# Altium PCB PCB_REV3.PcbDoc (part 1 of 2) (continued)
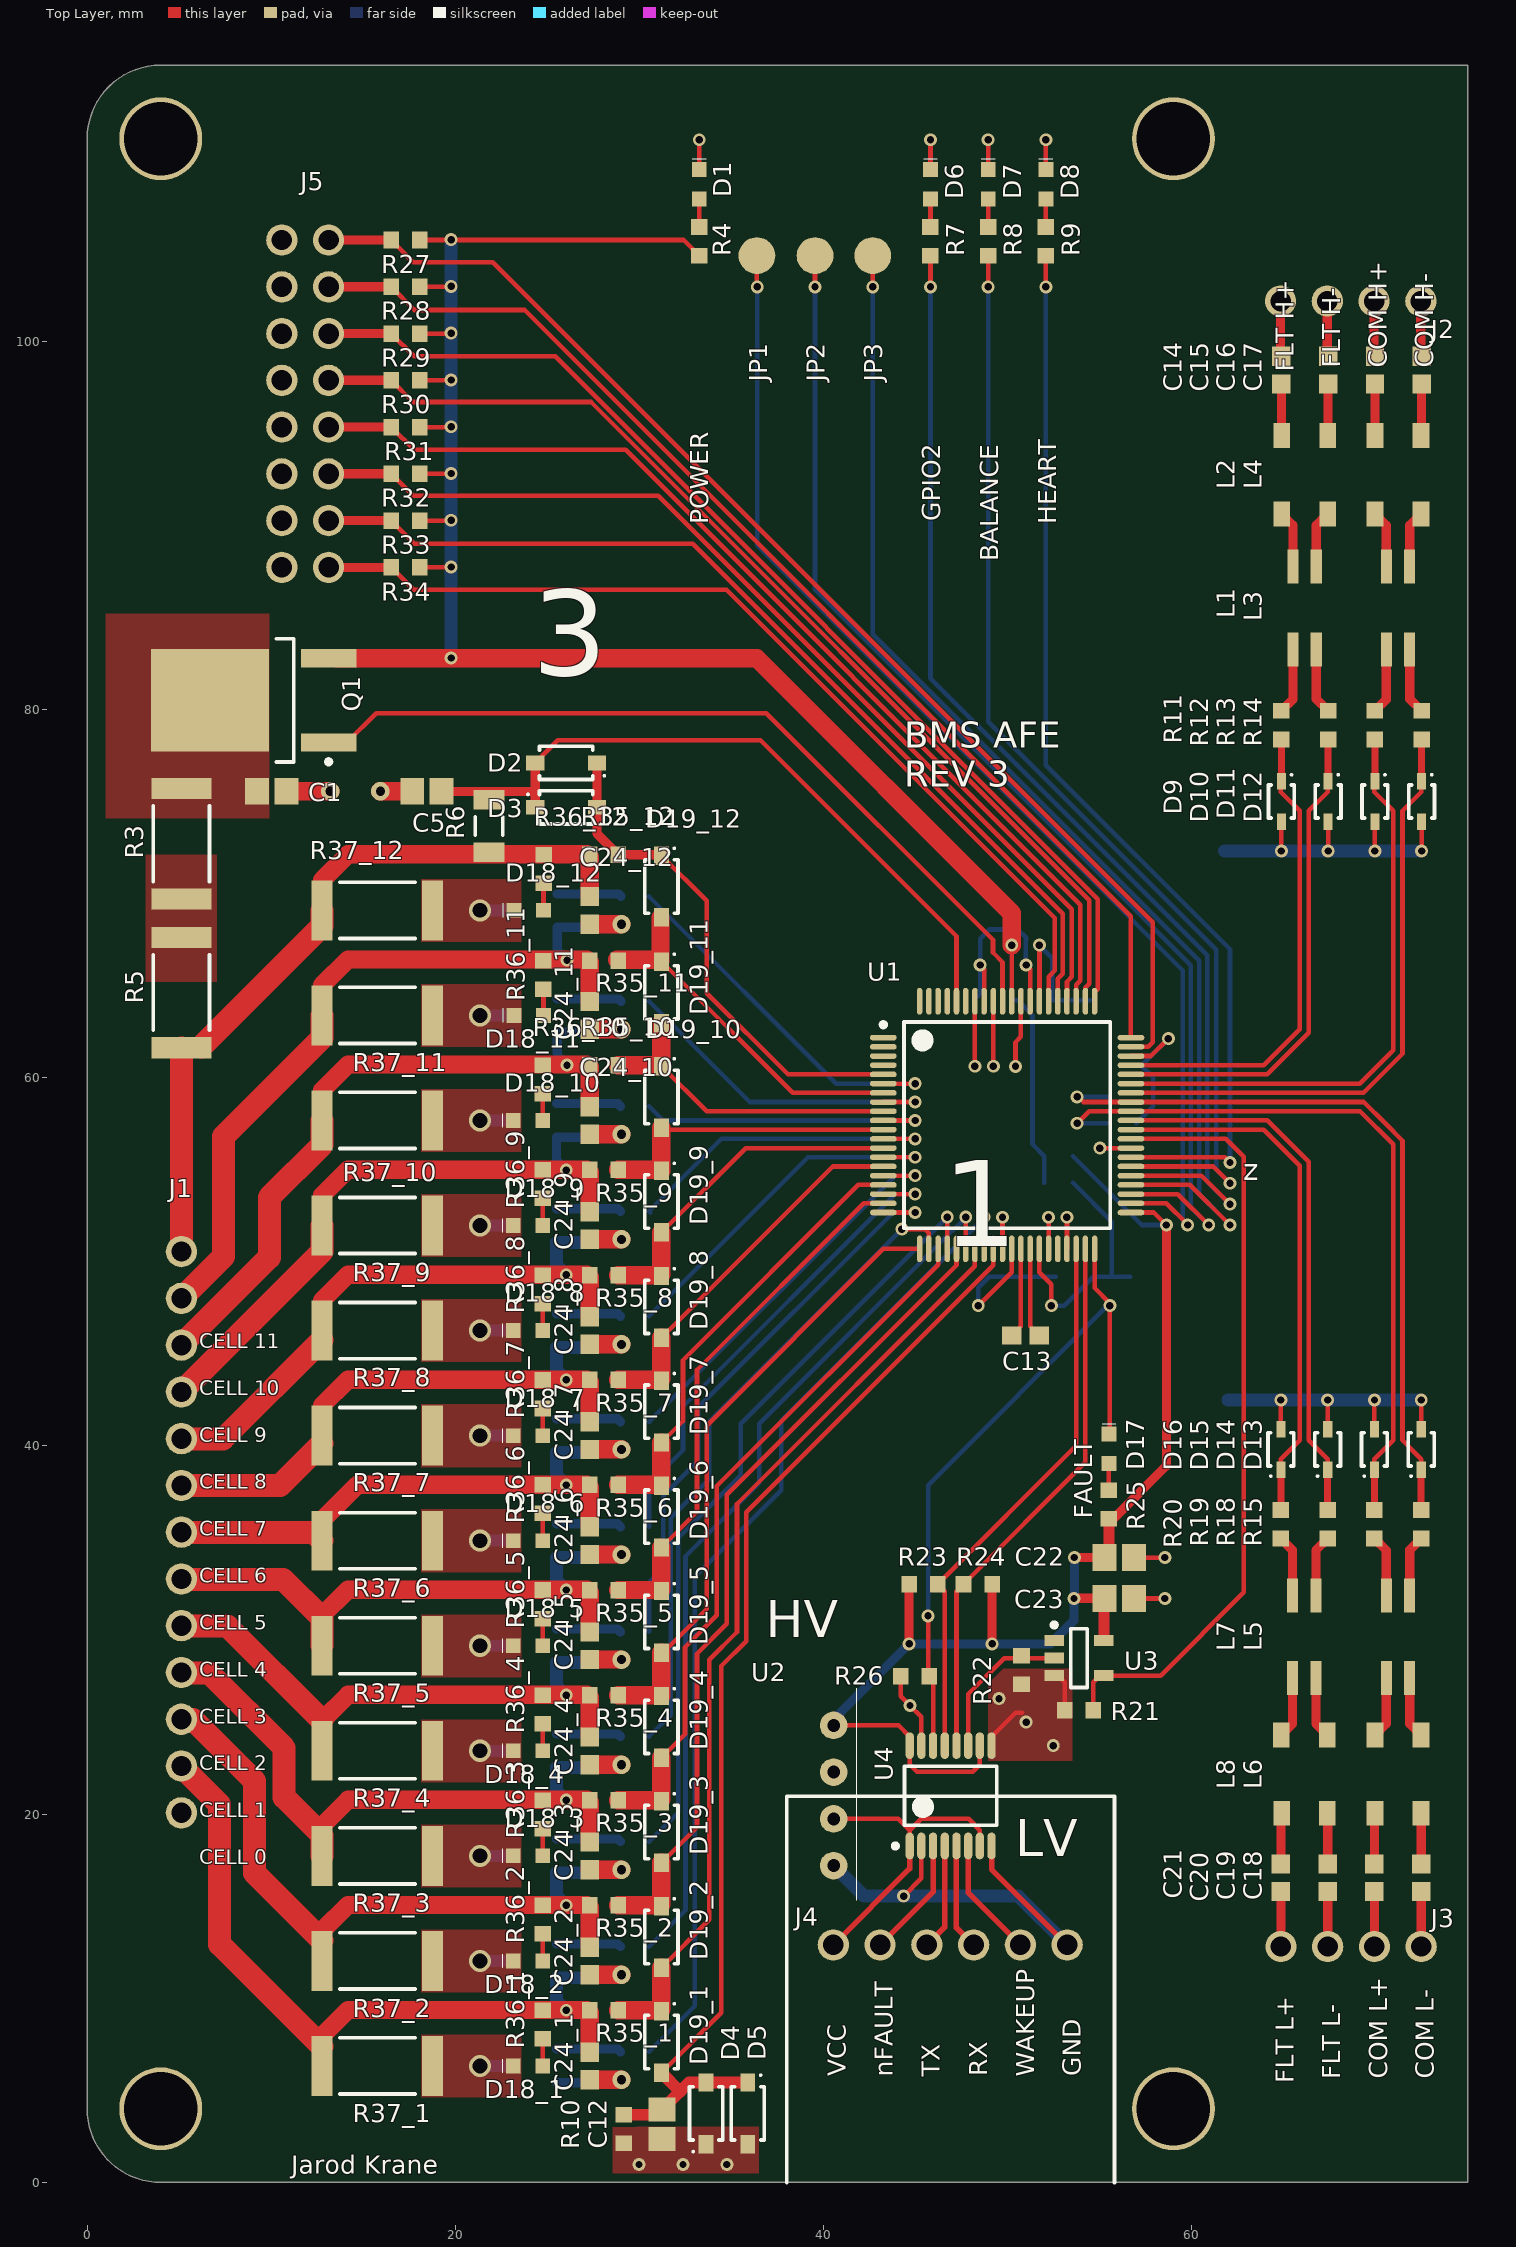
[diagram p0: Top Layer view]
## Components (designator, comment, footprint, x,y, rotation, side; value= is the part's Value field where it differs from the comment) (continued)
L1 "470uH" CMC470u 66.76,83.27 r90 top
L2 "100uH" CMC100U#1 67.375,90.624 r90 top
L3 "470uH" CMC470u 71.835,83.27 r90 top
L4 "100uH" CMC100U#1 72.45,90.624 r90 top
L5 "470uH" CMC470u 70.565,31.887 r270 top
L6 "100uH" CMC100U#1 69.95,24.3 r270 top
L7 "470uH" CMC470u 65.47,31.887 r270 top
L8 "100uH" CMC100U#2 64.855,24.3 r270 top
Q1 "ZXTN4004KTCDICT-ND" DPAK-TO252 9.02,80.5 r180 top
Q2_1 "DMN6140L-13DICT-ND" SOT-23-3 24.325,6.325 r180 bottom (schematic designator Q2)
Q2_2 "DMN6140L-13DICT-ND" SOT-23-3 24.325,12.031 r180 bottom (schematic designator Q2)
Q2_3 "DMN6140L-13DICT-ND" SOT-23-3 24.325,17.737 r180 bottom (schematic designator Q2)
Q2_4 "DMN6140L-13DICT-ND" SOT-23-3 24.325,23.444 r180 bottom (schematic designator Q2)
Q2_5 "DMN6140L-13DICT-ND" SOT-23-3 24.325,29.15 r180 bottom (schematic designator Q2)
Q2_6 "DMN6140L-13DICT-ND" SOT-23-3 24.325,34.856 r180 bottom (schematic designator Q2)
Q2_7 "DMN6140L-13DICT-ND" SOT-23-3 24.325,40.562 r180 bottom (schematic designator Q2)
Q2_8 "DMN6140L-13DICT-ND" SOT-23-3 24.325,46.268 r180 bottom (schematic designator Q2)
Q2_9 "DMN6140L-13DICT-ND" SOT-23-3 24.325,51.974 r180 bottom (schematic designator Q2)
Q2_10 "DMN6140L-13DICT-ND" SOT-23-3 24.325,57.68 r180 bottom (schematic designator Q2)
Q2_11 "DMN6140L-13DICT-ND" SOT-23-3 24.364,63.386 r180 bottom (schematic designator Q2)
Q2_12 "DMN6140L-13DICT-ND" SOT-23-3 24.364,69.092 r180 bottom (schematic designator Q2)
R1 "1R" RES-0603 52.77,55.745 r0 bottom
R2 "1R" RES-0603 52.77,54.288 r0 bottom
R3 "200R" RES-2512 5.12,72.705 r90 top
R4 "1K" RES-0603 33.25,105.429 r270 top
R5 "200R" RES-2512 5.12,64.624 r90 top
R6 "100R" RES-1206 21.829,73.681 r90 top
R7 "665R" RES-0603 45.805,105.429 r270 top
R8 "665R" RES-0603 48.94,105.429 r270 top
R9 "665R" RES-0603 52.075,105.429 r270 top
R10 "1K" RES-0603 29.145,2.9 r270 top
R11 "10R" RES-0603 64.866,79.15 r90 top
R12 "10R" RES-0603 67.404,79.15 r90 top
R13 "10R" RES-0603 69.943,79.15 r90 top
R14 "10R" RES-0603 72.481,79.15 r90 top
R15 "10R" RES-0603 72.46,35.749 r270 top
R16 "100K" RES-0603 56.212,58.962 r180 bottom
R17 "100K" RES-0603 56.212,57.53 r0 bottom
R18 "10R" RES-0603 69.92,35.749 r270 top
R19 "10R" RES-0603 67.38,35.749 r270 top
R20 "10R" RES-0603 64.84,35.749 r270 top
R21 "100K" RES-0603 53.875,25.65 r0 top
R22 "0R" RES-0603 50.75,27.83 r90 top
R23 "100K" RES-0603 45.42,32.5 r180 top
R24 "100K" RES-0603 48.378,32.5 r0 top
R25 "1K" RES-0603 55.5,36.82 r270 top
R26 "50K" RES-0603 44.97,27.5 r0 top
R27 "10K" RES-0603 17.295,105.5 r180 top
R28 "10K" RES-0603 17.295,102.96 r180 top
R29 "10K" RES-0603 17.295,100.42 r180 top
R30 "10K" RES-0603 17.295,97.88 r180 top
R31 "10K" RES-0603 17.295,95.34 r180 top
R32 "10K" RES-0603 17.295,92.8 r180 top
R33 "10K" RES-0603 17.295,90.26 r180 top
R34 "10K" RES-0603 17.295,87.72 r180 top
R35_1 "1K" RES-0603 28.07,9.35 r180 top (schematic designator R35)
R35_2 "1K" RES-0603 28.07,15.056 r180 top (schematic designator R35)
R35_3 "1K" RES-0603 28.07,20.762 r180 top (schematic designator R35)
R35_4 "1K" RES-0603 28.07,26.469 r180 top (schematic designator R35)
R35_5 "1K" RES-0603 28.07,32.175 r180 top (schematic designator R35)
R35_6 "1K" RES-0603 28.07,37.886 r180 top (schematic designator R35)
R35_7 "1K" RES-0603 28.07,43.587 r180 top (schematic designator R35)
R35_8 "1K" RES-0603 28.07,49.282 r180 top (schematic designator R35)
R35_9 "1K" RES-0603 28.07,54.998 r180 top (schematic designator R35)
R35_10 "1K" RES-0603 28.07,60.68 r180 top (schematic designator R35)
R35_11 "1K" RES-0603 28.07,66.361 r180 top (schematic designator R35)
R35_12 "1K" RES-0603 28.07,72.111 r180 top (schematic designator R35)
R36_1 "1K" RES-0603 24.745,8.575 r90 top (schematic designator R36)
R36_2 "1K" RES-0603 24.745,14.281 r90 top (schematic designator R36)
R36_3 "1K" RES-0603 24.745,19.987 r90 top (schematic designator R36)
R36_4 "1K" RES-0603 24.745,25.694 r90 top (schematic designator R36)
R36_5 "1K" RES-0603 24.745,31.4 r90 top (schematic designator R36)
R36_6 "1K" RES-0603 24.745,37.111 r90 top (schematic designator R36)
R36_7 "1K" RES-0603 24.745,42.812 r90 top (schematic designator R36)
R36_8 "1K" RES-0603 24.745,48.507 r90 top (schematic designator R36)
R36_9 "1K" RES-0603 24.745,54.223 r90 top (schematic designator R36)
R36_10 "1K" RES-0603 24.75,59.905 r90 top (schematic designator R36)
R36_11 "1K" RES-0603 24.779,65.586 r90 top (schematic designator R36)
R36_12 "1K" RES-0603 24.793,71.336 r90 top (schematic designator R36)
R37_1 "75R" RES-2512 15.764,6.325 r180 top (schematic designator R37)
R37_2 "75R" RES-2512 15.764,12.031 r180 top (schematic designator R37)
R37_3 "75R" RES-2512 15.764,17.737 r180 top (schematic designator R37)
R37_4 "75R" RES-2512 15.764,23.444 r180 top (schematic designator R37)
R37_5 "75R" RES-2512 15.764,29.15 r180 top (schematic designator R37)
R37_6 "75R" RES-2512 15.764,34.856 r180 top (schematic designator R37)
R37_7 "75R" RES-2512 15.764,40.562 r180 top (schematic designator R37)
R37_8 "75R" RES-2512 15.764,46.268 r180 top (schematic designator R37)
R37_9 "75R" RES-2512 15.764,51.974 r180 top (schematic designator R37)
R37_10 "75R" RES-2512 15.764,57.68 r180 top (schematic designator R37)
R37_11 "75R" RES-2512 15.764,63.386 r180 top (schematic designator R37)
R37_12 "75R" RES-2512 15.765,69.092 r180 top (schematic designator R37)
R38_1 "2K" RES-0603 29.743,7.1 r180 bottom (schematic designator R38)
R38_2 "2K" RES-0603 29.743,12.806 r180 bottom (schematic designator R38)
R38_3 "2K" RES-0603 29.743,18.512 r180 bottom (schematic designator R38)
R38_4 "2K" RES-0603 29.743,24.219 r180 bottom (schematic designator R38)
R38_5 "2K" RES-0603 29.743,29.9 r180 bottom (schematic designator R38)
R38_6 "2K" RES-0603 29.743,35.606 r180 bottom (schematic designator R38)
R38_7 "2K" RES-0603 29.743,41.312 r180 bottom (schematic designator R38)
R38_8 "2K" RES-0603 29.743,47.043 r180 bottom (schematic designator R38)
R38_9 "2K" RES-0603 29.743,52.74 r180 bottom (schematic designator R38)
R38_10 "2K" RES-0603 29.743,58.455 r180 bottom (schematic designator R38)
R38_11 "2K" RES-0603 29.743,64.155 r180 bottom (schematic designator R38)
R38_12 "2K" RES-0603 29.743,69.842 r180 bottom (schematic designator R38)
R39_1 "100K" RES-0603 27.295,6.325 r90 bottom (schematic designator R39)
R39_2 "100K" RES-0603 27.295,12.031 r90 bottom (schematic designator R39)
R39_3 "100K" RES-0603 27.295,17.737 r90 bottom (schematic designator R39)
R39_4 "100K" RES-0603 27.295,23.444 r90 bottom (schematic designator R39)
R39_5 "100K" RES-0603 27.295,29.15 r90 bottom (schematic designator R39)
R39_6 "100K" RES-0603 27.295,34.856 r90 bottom (schematic designator R39)
R39_7 "100K" RES-0603 27.295,40.562 r90 bottom (schematic designator R39)
R39_8 "100K" RES-0603 27.295,46.268 r90 bottom (schematic designator R39)
R39_9 "100K" RES-0603 27.295,51.974 r90 bottom (schematic designator R39)
R39_10 "100K" RES-0603 27.295,57.68 r90 bottom (schematic designator R39)
R39_11 "100K" RES-0603 27.295,63.386 r90 bottom (schematic designator R39)
R39_12 "100K" RES-0603 27.295,69.092 r90 bottom (schematic designator R39)
U1 "BQ76PL455ATPFCTQ1" BQ76PL455A 49.97,57.43 r0 top
U2 "945-1655-5-ND" ROE5050 40.55,17.206 r90 top
U3 "NC7SZ04M5XCT-ND" SOT-23-5 53.875,28.48 r0 top
U4 "296-49658-1-ND" 16-SSOP 46.9,21 r90 top

## Footprints (in the part's own frame and the unit in brackets; to place one, negate y for a bottom-side part, rotate by r counter-clockwise, add the part's x,y. Pads: shape width x height; smd on the part's side, far side on the other; paste and mask are expansions set on the pad)
2X8PIN [mm]
  round 1.7 hole 1.11: 1(0,0) 2(2.54,0) 3(5.08,0) 4(7.62,0) 5(10.16,0) 6(12.7,0) 7(15.24,0) 8(17.78,0) 9(17.78,2.54) 10(15.24,2.54) 11(12.7,2.54) 12(10.16,2.54) 13(7.62,2.54) 14(5.08,2.54) 15(2.54,2.54) 16(0,2.54)
  body extent -2.36,-10.5 20.3,2.9, height 9.87
4PIN [mm]
  round 1.7 hole 1.11: 1(0,0) 2(2.54,0) 3(5.08,0) 4(7.62,0)
  body extent -2.55,-12.82 10.15,0.77, height 7.06
6PIN [mm]
  round 1.7 hole 1.11: 1(0,0) 2(2.54,0) 3(5.08,0) 4(7.62,0) 5(10.16,0) 6(12.7,0)
  body extent -2.48,-12.89 15.3,0.7, height 7.06
13PIN [mm]
  round 1.7 hole 1.1 unplated: 1(0,0) 2(2.54,0) 3(5.08,0) 4(7.62,0) 5(10.16,0) 6(12.7,0) 7(15.24,0) 8(17.78,0) 9(20.32,0) 10(22.86,0) 11(25.4,0) 12(27.94,0) 13(30.48,0)
  body extent -2.55,-12.94 33.01,0.65, height 7.06
16-SSOP [mm] "SOP, 16-Leads, Body 4.91x3.90mm, Pitch 0.64mm, IPC Medium Density"
  oval 1.45x0.45 smd: 1(-2.725,2.222) 2(-2.725,1.587) 3(-2.725,0.952) 4(-2.725,0.317) 5(-2.725,-0.318) 6(-2.725,-0.953) 7(-2.725,-1.588) 8(-2.725,-2.222) 9(2.725,-2.222) 10(2.725,-1.587) 11(2.725,-0.952) 12(2.725,-0.317) 13(2.725,0.318) 14(2.725,0.953) 15(2.725,1.588) 16(2.725,2.222)
  silkscreen extent -2.85,-2.5 1.6,3.12, body extent -3,-2.5 3,2.5, height 1.75
BQ76PL455A [mm] "TSQFP, 80-Leads, Body 12.00x12.00mm, Pitch 0.50mm, IPC Medium Density"
  oval 1.45x0.3 smd: 1(-6.725,4.75) 2(-6.725,4.25) 3(-6.725,3.75) 4(-6.725,3.25) 5(-6.725,2.75) 6(-6.725,2.25) 7(-6.725,1.75) 8(-6.725,1.25) 9(-6.725,0.75) 10(-6.725,0.25) 11(-6.725,-0.25) 12(-6.725,-0.75) 13(-6.725,-1.25) 14(-6.725,-1.75) 15(-6.725,-2.25) 16(-6.725,-2.75) 17(-6.725,-3.25) 18(-6.725,-3.75) 19(-6.725,-4.25) 20(-6.725,-4.75) 41(6.725,-4.75) 42(6.725,-4.25) 43(6.725,-3.75) 44(6.725,-3.25) 45(6.725,-2.75) 46(6.725,-2.25) 47(6.725,-1.75) 48(6.725,-1.25) 49(6.725,-0.75) 50(6.725,-0.25) 51(6.725,0.25) 52(6.725,0.75) 53(6.725,1.25) 54(6.725,1.75) 55(6.725,2.25) 56(6.725,2.75) 57(6.725,3.25) 58(6.725,3.75) 59(6.725,4.25) 60(6.725,4.75)
  oval 0.3x1.45 smd: 21(-4.75,-6.725) 22(-4.25,-6.725) 23(-3.75,-6.725) 24(-3.25,-6.725) 25(-2.75,-6.725) 26(-2.25,-6.725) 27(-1.75,-6.725) 28(-1.25,-6.725) 29(-0.75,-6.725) 30(-0.25,-6.725) 31(0.25,-6.725) 32(0.75,-6.725) 33(1.25,-6.725) 34(1.75,-6.725) 35(2.25,-6.725) 36(2.75,-6.725) 37(3.25,-6.725) 38(3.75,-6.725) 39(4.25,-6.725) 40(4.75,-6.725) 61(4.75,6.725) 62(4.25,6.725) 63(3.75,6.725) 64(3.25,6.725) 65(2.75,6.725) 66(2.25,6.725) 67(1.75,6.725) 68(1.25,6.725) 69(0.75,6.725) 70(0.25,6.725) 71(-0.25,6.725) 72(-0.75,6.725) 73(-1.25,6.725) 74(-1.75,6.725) 75(-2.25,6.725) 76(-2.75,6.725) 77(-3.25,6.725) 78(-3.75,6.725) 79(-4.25,6.725) 80(-4.75,6.725)
  silkscreen extent -6.85,-5.6 5.6,5.6, body extent -7,-7 7,7, height 1.2
CAP-0603 [mm] "Chip Capacitor, 2-Leads, Body 1.60x0.80mm, IPC Medium Density"
  rect 1.05x1 smd: 1(-0.75,0) 2(0.75,0)
  body extent -0.87,-0.48 0.87,0.48, height 0.9
CAP-0805 [mm] "Chip Capacitor, 2-Leads, Body 2.00x1.25mm, IPC Medium Density"
  rect 1.3x1.45 smd: 1(-0.8,0) 2(0.8,0)
  body extent -1.1,-0.72 1.1,0.72, height 1.35
CMC100U#1 [mm]
  rect 1.35x0.9 smd: 1(0,2.5) 2(0,0) 3(4.25,0) 4(4.25,2.5)
  body extent -0.12,-0.37 4.38,2.83, height 2.8
CMC100U#2 [mm]
  rect 1.35x0.9 smd: 1(0,2.5) 2(0,0) 3(4.25,0.02) 4(4.25,2.5)
  body extent -0.12,-0.37 4.38,2.83, height 2.8
CMC470u [mm]
  rect 1.85x0.6 smd: 1(0,1.27) 2(0,0) 3(4.5,0) 4(4.5,1.27)
  body extent -0.75,-1.01 5.25,2.29, height 3.25
DIODE-SOD123 [mm] "SODFL, 2-Leads, Body 1.60x3.70mm, IPC Medium Density"
  rect 1x0.8 smd: 1(-1.675,0) 2(1.675,0)
  silkscreen extent -2.12,-0.9 1.45,0.9, body extent -1.85,-0.9 1.85,0.9, height 1.35
DIODE-SOD323 [mm] "SODFL, 2-Leads, Body 1.25x2.50mm, IPC Medium Density"
  rect 0.9x0.5 smd: 1(-1.1,0) 2(1.1,0)
  silkscreen extent -1.5,-0.7 0.9,0.7, body extent -1.25,-0.67 1.25,0.67, height 1.1
DPAK-TO252 [mm] "D-PAK, 3-Pads, Body 6.20x6.73mm (max), IPC Medium Density"
  rect 3x1 smd: 1(-4.1,2.29) 3(-4.1,-2.29)
  rect 6.4x5.55 smd: 2(2.35,0)
  silkscreen extent -4.23,-3.35 -1.25,3.46, body extent -4.57,-3.37 5.33,3.37, height 2.38
LED-0603 [mm]
  rect 0.8x0.8 smd: 1(2,0.8) 2(0.4,0.8)
  silkscreen extent -0.18,0.43 -0.18,1.17, body extent 0.4,0.4 2,1.2, height 0.7
RES-0603 [mm] "Chip Resistor, 2-Leads, Body 1.60x0.80mm, IPC Medium Density"
  rect 0.85x0.9 smd: 1(-0.775,0) 2(0.775,0)
  body extent -0.85,-0.45 0.85,0.45, height 0.55
RES-1206 [mm] "Chip Resistor, 2-Leads, Body 3.10x1.60mm, IPC Medium Density"
  rect 1.05x1.7 smd: 1(-1.425,0) 2(1.425,0)
  silkscreen extent -0.5,-0.75 0.5,0.75, body extent -1.6,-0.85 1.6,0.85, height 0.65
RES-2512 [mm] "Chip Resistor, 2-Leads, Body 6.35x3.10mm, IPC Medium Density"
  rect 1.15x3.25 smd: 1(-3,0) 2(3,0)
  silkscreen extent -2.05,-1.52 2.05,1.53, body extent -3.22,-1.63 3.22,1.63, height 0.65
ROE5050 [mm]
  round 1.5 hole 0.7: 1(0,0) 2(2.54,0) 3(5.08,0) 4(7.62,0)
  silkscreen extent -1.88,-1.25 9.62,-1.25, body extent -1.87,-1.25 9.63,4.75, height 10
SOT-23-3 [mm] "SOT23, 3-Leads, Body 2.90x2.40mm, Pitch 0.92mm, IPC Medium Density"
  rect 0.95x0.65 smd: 1(-1.175,0.915) 2(1.175,0) 3(-1.175,-0.915)
  silkscreen extent -1.3,-1.5 0.7,1.91, body extent -1.25,-1.5 1.25,1.5, height 1.1
SOT-23-5 [mm] "SOT23, 5-Leads, Body 3.00x2.75mm, Pitch 0.95mm, IPC Medium Density"
  rect 1.05x0.6 smd: 1(-1.35,0.95) 2(-1.35,0) 3(-1.35,-0.95) 4(1.35,-0.95) 5(1.35,0.95)
  silkscreen extent -1.47,-1.6 0.45,1.92, body extent -1.5,-1.57 1.5,1.58, height 1.1
TP2 [mm]
  round 2 smd: 1(0,0)

## Part data
C1 C8 C12: library part 0805-1uF-50V, "CAP CER 1UF 50V X5R 0805", Case/Package=0805, Case Code (Metric)=2012, Dielectric=X5R, Dielectric Material=Ceramic, Manufacturer=KEMET, Manufacturer Part Number=C0805C105K5PACTU, Max Operating Temperature=85°C, Min Operating Temperature=-55°C, Package Quantity=2500, Supplier Part Number 1=399-15436-6-ND, Tolerance=10%, Voltage Rating=50V, Capacitance=1uF, Case Code (Imperial)=0805, ComponentLink1Description=https://api.kemet.com/component-edge/download/datasheet/C0805C105K5PAC7800.pdf?src-supplier=Digi-Key, ComponentLink1URL=https://api.kemet.com/component-edge/download/datasheet/C0805C105K5PAC7800.pdf?src-supplier=Digi-Key, ComponentLink2Description=http://www.farnell.com/datasheets/2746140.pdf?src-supplier=Farnell, ComponentLink2URL=http://www.farnell.com/datasheets/2746140.pdf?src-supplier=Farnell, ComponentLink3Description=http://www.mouser.com/ds/2/212/KEM_C1006_X5R_SMD-1103249.pdf?src-supplier=Mouser, ComponentLink3URL=http://www.mouser.com/ds/2/212/KEM_C1006_X5R_SMD-1103249.pdf?src-supplier=Mouser, ComponentLink4Description=http://www.farnell.com/datasheets/2746140.pdf?src-supplier=Newark, ComponentLink4URL=http://www.farnell.com/datasheets/2746140.pdf?src-supplier=Newark, ComponentLink5Description=http://www.farnell.com/datasheets/2032728.pdf?src-supplier=Element14, ComponentLink5URL=http://www.farnell.com/datasheets/2032728.pdf?src-supplier=Element14, Lead Free="Lead Free", Length=0.079inch, Mount="Surface Mount", Packaging="Tape and Reel", Pricing 1="1=0.33, 10=0.23, 100=0.1378, 500=0.10334, 1000=0.08726 (USD)", REACH SVHC="No SVHC", Stock 1=7193, Supplier 1=Digi-Key, Termination=SMD/SMT, Thickness=0.055inch, Voltage Rating (DC)=50V, Weight=0.000194oz, Width=0.049inch
C2 C3 C10 C11 C23: library part 0805-4.7uF-16V, "CAP CER 4.7UF 16V X5R 0805", Case/Package=0805, Dielectric=X5R, Dielectric Material=Ceramic, Manufacturer=KEMET, Manufacturer Part Number=C0805C475K4PACTU, Max Operating Temperature=85°C, Min Operating Temperature=-55°C, Supplier Part Number 1=399-8101-6-ND, Tolerance=10%, Voltage=16V, Capacitance=4.7uF, ComponentLink1Description=http://capacitoredge.kemet.com/capedge2/DataSheet?pn=C0805C475K4PAC7800&src-supplier=Avnet+Europe, ComponentLink1URL=http://capacitoredge.kemet.com/capedge2/DataSheet?pn=C0805C475K4PAC7800&src-supplier=Avnet+Europe, ComponentLink2Description=https://www.verical.com/server-webapp/html/getDatasheet?partID=319476&src-supplier=Verical, ComponentLink2URL=https://www.verical.com/server-webapp/html/getDatasheet?partID=319476&src-supplier=Verical, Depth=1.25mm, Height=1.25mm, Lead Free="Lead Free", Length=2mm, Mount="Surface Mount", Packaging="Tape and Reel", Pricing 1="1=0.24, 10=0.168, 100=0.0951, 500=0.0671, 1000=0.05872 (USD)", Radiation Hardening=No, Stock 1=96594, Supplier 1=Digi-Key, Termination=SMD/SMT, Voltage Rating (DC)=16V
C4: library part 0805-1uF-16V, "CAP CER 1UF 16V Y5V 0805", Case/Package=0805, Case Code (Metric)=2012, Dielectric=Y5V, Dielectric Material=Ceramic, Manufacturer=KEMET, Manufacturer Part Number=C0805C105Z4VACTU, Max Operating Temperature=85°C, Min Operating Temperature=-30°C, Package Quantity=1, Supplier Part Number 1=399-8011-6-ND, Tolerance=80%, Voltage=16V, Capacitance=1uF, Case Code (Imperial)=0805, ComponentLink1Description=http://www.farnell.com/datasheets/2739656.pdf?src-supplier=Farnell, ComponentLink1URL=http://www.farnell.com/datasheets/2739656.pdf?src-supplier=Farnell, ComponentLink2Description=http://capacitoredge.kemet.com/capedge2/DataSheet?pn=C0805C105Z4VAC7800&src-supplier=Avnet+Europe, ComponentLink2URL=http://capacitoredge.kemet.com/capedge2/DataSheet?pn=C0805C105Z4VAC7800&src-supplier=Avnet+Europe, ComponentLink3Description=https://www.alliedelec.com/m/d/9bfe7773041ffe9d406e68bc7b377fdd.pdf?src-supplier=Allied+Electronics, ComponentLink3URL=https://www.alliedelec.com/m/d/9bfe7773041ffe9d406e68bc7b377fdd.pdf?src-supplier=Allied+Electronics, ComponentLink4Description=http://www.farnell.com/datasheets/2739656.pdf?src-supplier=Newark, ComponentLink4URL=http://www.farnell.com/datasheets/2739656.pdf?src-supplier=Newark, Contact Material=Tin, Depth=1.25mm, Dissipation Factor=7%, Height=1.25mm, Lead Free="Lead Free", Lead Pitch=0.75mm, Length=2mm, Mount="Surface Mount,PCB", Number of Pins=2, Packaging="Tape and Reel", Pricing 1="1=0.12, 10=0.085, 100=0.0378, 500=0.02702, 1000=0.02124 (USD)", Radiation Hardening=No, REACH SVHC="No SVHC", Stock 1=54729, Supplier 1=Digi-Key, Termination=SMD/SMT, Thickness=0.055inch, Voltage Rating=16V, Voltage Rating (DC)=16V, Width=0.049inch
C5 C7 C9 C22: library part 0805-0.1uF-50V, "CAP CER 0.1UF 50V Y5V 0805", Capacitance=100nF, Case/Package=0805, Case Code (Metric)=2012, Dielectric=Y5V, Dielectric Material=Ceramic, Manufacturer=KEMET, Manufacturer Part Number=C0805C104Z5VACTU, Max Operating Temperature=85°C, Min Operating Temperature=-30°C, Package Quantity=1, Supplier Part Number 1=399-1177-6-ND, Tolerance=80%, Voltage=50V, Case Code (Imperial)=0805, ComponentLink1Description=http://www.alliedelec.com/m/d/9bfe7773041ffe9d406e68bc7b377fdd.pdf?src-supplier=Allied+Electronics, ComponentLink1URL=http://www.alliedelec.com/m/d/9bfe7773041ffe9d406e68bc7b377fdd.pdf?src-supplier=Allied+Electronics, ComponentLink2Description=https://www.verical.com/server-webapp/html/getDatasheet?partID=37101&src-supplier=Verical, ComponentLink2URL=https://www.verical.com/server-webapp/html/getDatasheet?partID=37101&src-supplier=Verical, ComponentLink3Description=https://www.verical.com/server-webapp/html/getDatasheet?partID=321176&src-supplier=Verical, ComponentLink3URL=https://www.verical.com/server-webapp/html/getDatasheet?partID=321176&src-supplier=Verical, ComponentLink4Description=http://www.farnell.com/datasheets/2123124.pdf?src-supplier=Element14, ComponentLink4URL=http://www.farnell.com/datasheets/2123124.pdf?src-supplier=Element14, Depth=1.25mm, Dissipation Factor=5%, Height=0.9mm, Lead Free="Lead Free", Lead Pitch=0.75mm, Length=2mm, Mount="Surface Mount,PCB", Number of Pins=2, Packaging="Tape and Reel", Pricing 1="1=0.1, 10=0.057, 100=0.0254, 500=0.01818, 1000=0.01428 (USD)", Radiation Hardening=No, REACH SVHC="No SVHC", Stock 1=929243, Supplier 1=Digi-Key, Termination=SMD/SMT, Thickness=0.039inch, Voltage Rating=50V, Voltage Rating (DC)=50V, Width=0.049inch
C6: library part 0805-390pF-50V, "CAP CER 390PF 50V C0G/NP0 0805", Case/Package=0805, Case Code (Metric)=2012, Dielectric=C0G, Dielectric Material=Ceramic, Manufacturer=KEMET, Manufacturer Part Number=C0805C391J5GACTU, Max Operating Temperature=125°C, Min Operating Temperature=-55°C, Package Quantity=1, Supplier Part Number 1=399-1132-6-ND, Tolerance=5%, Voltage=50V, Capacitance=390pF, Case Code (Imperial)=0805, ComponentLink1Description=https://search.kemet.com/component-edge/download/datasheet/C0805C391J5GACTU.pdf?src-supplier=Digi-Key, ComponentLink1URL=https://search.kemet.com/component-edge/download/datasheet/C0805C391J5GACTU.pdf?src-supplier=Digi-Key, ComponentLink2Description=https://www.verical.com/server-webapp/html/getDatasheet?partID=35246&src-supplier=Verical, ComponentLink2URL=https://www.verical.com/server-webapp/html/getDatasheet?partID=35246&src-supplier=Verical, ComponentLink3Description=https://www.alliedelec.com/m/d/9bfe7773041ffe9d406e68bc7b377fdd.pdf?src-supplier=Allied+Electronics, ComponentLink3URL=https://www.alliedelec.com/m/d/9bfe7773041ffe9d406e68bc7b377fdd.pdf?src-supplier=Allied+Electronics, ComponentLink4Description=http://www.farnell.com/datasheets/1372242.pdf?src-supplier=Element14, ComponentLink4URL=http://www.farnell.com/datasheets/1372242.pdf?src-supplier=Element14, ComponentLink5Description=http://www.jameco.com/Jameco/Products/ProdDS/1567367.pdf?src-supplier=Jameco, ComponentLink5URL=http://www.jameco.com/Jameco/Products/ProdDS/1567367.pdf?src-supplier=Jameco, Contact Material=Tin, Contact Plating=Tin,Matte, Depth=1.25mm, Dissipation Factor=0.1%, Height=0.78mm, Lead Free="Lead Free", Lead Pitch=0.75mm, Length=2mm, Mount="Surface Mount,PCB", Packaging="Tape and Reel", Pricing 1="1=0.15, 10=0.105, 100=0.0495, 500=0.03472, 1000=0.02875 (USD)", Radiation Hardening=No, REACH SVHC="No SVHC", Stock 1=12778, Supplier 1=Digi-Key, Termination=SMD/SMT, Thickness=0.035inch, Voltage Rating=50V, Voltage Rating (DC)=50V, Width=0.049inch
C13: library part 0603-22nF-100V, "CAP CER 0.022UF 100V X7R 0603", Case/Package=0603, Case Code (Metric)=1608, Dielectric=X7R, Dielectric Material=Ceramic, Manufacturer=KEMET, Manufacturer Part Number=C0603C223K1RACTU, Max Operating Temperature=125°C, Min Operating Temperature=-55°C, Package Quantity=4000, Supplier Part Number 1=399-3476-6-ND, Tolerance=10%, Voltage=100V, Capacitance=22nF, Case Code (Imperial)=0603, ComponentLink1Description=http://www.mouser.com/ds/2/212/KEM_C1002_X7R_SMD-1102033.pdf?src-supplier=Mouser, ComponentLink1URL=http://www.mouser.com/ds/2/212/KEM_C1002_X7R_SMD-1102033.pdf?src-supplier=Mouser, ComponentLink2Description=https://www.verical.com/server-webapp/html/getDatasheet?partID=306025&src-supplier=Verical, ComponentLink2URL=https://www.verical.com/server-webapp/html/getDatasheet?partID=306025&src-supplier=Verical, ComponentLink3Description=https://www.verical.com/server-webapp/html/getDatasheet?partID=38414&src-supplier=Verical, ComponentLink3URL=https://www.verical.com/server-webapp/html/getDatasheet?partID=38414&src-supplier=Verical, Depth=0.8mm, Dissipation Factor=2.5%, Height=0.8mm, Lead Pitch=0.7mm, Length=1.6mm, Mount="Surface Mount,PCB", Number of Pins=2, Packaging="Tape and Reel", Pricing 1="1=0.1, 10=0.042, 100=0.0186, 500=0.01328, 1000=0.01044 (USD)", Radiation Hardening=No, REACH SVHC="No SVHC", Stock 1=681721, Supplier 1=Digi-Key, Termination=SMD/SMT, Thickness=0.034inch, Voltage Rating=100V, Voltage Rating (DC)=100V, Width=0.031inch
C14 C15 C16 C17 C18 C19 C20 C21: library part 0603-1nF-50V, "CAP CER 1000PF 50V X7R 0603", Case/Package=0603, Case Code (Metric)=1608, Dielectric=X7R, Dielectric Material=Ceramic, Manufacturer=KEMET, Manufacturer Part Number=C0603C102J5RACTU, Max Operating Temperature=125°C, Min Operating Temperature=-55°C, Package Quantity=1, Supplier Part Number 1=399-1083-6-ND, Tolerance=5%, Voltage Rating=50V, Capacitance=1nF, Case Code (Imperial)=0603, ComponentLink1Description=http://www.onlinecomponents.com/productFiles/mf-KEM/docfinderpartnumberc0402c102k5ractu.pdf?src-supplier=Onlinecomponents.com, ComponentLink1URL=http://www.onlinecomponents.com/productFiles/mf-KEM/docfinderpartnumberc0402c102k5ractu.pdf?src-supplier=Onlinecomponents.com, Depth=0.8mm, Dissipation Factor=2.5%, Height=0.8mm, Lead Pitch=0.7mm, Length=1.6mm, Mount="Surface Mount", Number of Pins=2, Packaging="Tape and Reel", Pricing 1="1=0.1, 10=0.056, 100=0.0248, 500=0.01772, 1000=0.01392 (USD)", Radiation Hardening=No, REACH SVHC="No SVHC", Stock 1=378254, Supplier 1=Digi-Key, Termination=SMD/SMT, Thickness=0.034inch, Voltage Rating (DC)=50V, Width=0.031inch
C24_1 C24_2 C24_3 C24_4 C24_5 C24_6 C24_7 C24_8 C24_9 C24_10 C24_11 C24_12: library part 0603-1uF-16V, "CAP CER 1UF 16V X7R 0603", Case/Package=0603, Case Code (Metric)=1608, Dielectric=X7R, Dielectric Material=Ceramic, Manufacturer=KEMET, Manufacturer Part Number=C0603C105K4RACTU, Max Operating Temperature=125°C, Min Operating Temperature=-55°C, Package Quantity=4000, Supplier Part Number 1=399-7847-6-ND, Tolerance=10%, Voltage=16V, Capacitance=1uF, Case Code (Imperial)=0603, ComponentLink1Description=http://www.mouser.com/ds/2/212/KEM_C1002_X7R_SMD-1102033.pdf?src-supplier=Mouser, ComponentLink1URL=http://www.mouser.com/ds/2/212/KEM_C1002_X7R_SMD-1102033.pdf?src-supplier=Mouser, ComponentLink2Description=http://www.kemet.com/kemet/web/homepage/kechome.nsf/file/Commercial%20Ceramic%20Chips%20X7R%20Dielectric/$file/KEM_C1002_X7R_SMD.pdf?src-supplier=Element14, ComponentLink2URL=http://www.kemet.com/kemet/web/homepage/kechome.nsf/file/Commercial%20Ceramic%20Chips%20X7R%20Dielectric/$file/KEM_C1002_X7R_SMD.pdf?src-supplier=Element14, ComponentLink3Description=https://www.verical.com/server-webapp/html/getDatasheet?partID=385479&src-supplier=Verical, ComponentLink3URL=https://www.verical.com/server-webapp/html/getDatasheet?partID=385479&src-supplier=Verical, ComponentLink4Description=http://www.kemet.com/kemet/web/homepage/kechome.nsf/vapubfiles/KEM_C1002_X7R_SMD.pdf/$file/KEM_C1002_X7R_SMD.pdf?src-supplier=Element14, ComponentLink4URL=http://www.kemet.com/kemet/web/homepage/kechome.nsf/vapubfiles/KEM_C1002_X7R_SMD.pdf/$file/KEM_C1002_X7R_SMD.pdf?src-supplier=Element14, Contact Plating=Tin,Matte, Depth=0.8mm, Dissipation Factor=3.5%, Height=0.8mm, Length=1.6mm, Mount="Surface Mount,PCB", Number of Pins=2, Packaging="Tape and Reel", Pricing 1="1=0.12, 10=0.088, 100=0.0391, 500=0.02792, 1000=0.02193 (USD)", Radiation Hardening=No, REACH SVHC="No SVHC", Stock 1=600463, Supplier 1=Digi-Key, Termination=SMD/SMT, Thickness=0.034inch, Voltage Rating=16V, Voltage Rating (DC)=16V, Width=0.031inch
D1 D7: library part LED-Green, "LED GREEN CLEAR 0603 SMD", Case/Package=0603, Case Code (Metric)=1608, Color=Green, Forward Current=30mA, Forward Voltage=2V, Manufacturer="Wurth Electronics", Manufacturer Part Number=150060VS75000, Max Operating Temperature=85°C, Min Operating Temperature=-40°C, Package Quantity=1, Supplier Part Number 1=732-4980-1-ND, Test Current=20mA, Case Code (Imperial)=0603, ComponentLink1Description=https://katalog.we-online.de/led/datasheet/150060VS75000.pdf?src-supplier=Digi-Key, ComponentLink1URL=https://katalog.we-online.de/led/datasheet/150060VS75000.pdf?src-supplier=Digi-Key, Dominant Wavelength=570nm, Height=0.7mm, Length=1.6mm, Lens Style=Clear,Rectangular, Luminous Intensity=40mcd, Mount="Surface Mount", Number of Pins=2, Packaging="Tape and Reel", Pricing 1="1=0.14, 50=0.133, 100=0.114, 500=0.099 (USD)", REACH SVHC=Unknown, Stock 1=118118, Supplier 1=Digi-Key, Viewing Angle=140°, Wavelength=570nm, Width=0.8mm
D2 D3 D4 D5: library part Diode-100V-0.3W, "DIODE GEN PURP 100V 300MA SOD123", Average Rectified Current=300mA, Capacitance=2pF, Current Rating=150mA, Forward Voltage=1.25V, Manufacturer=Diodes, Manufacturer Part Number=1N4148W-7-F, Max Forward Surge Current (Ifsm)=2A, Max Operating Temperature=150°C, Min Operating Temperature=-65°C, Package Quantity=3000, Peak Reverse Current=1uA, Power Dissipation=400mW, Supplier Part Number 1=1N4148W-FDIDKR-ND, Voltage Rating (DC)=75V, ComponentLink1Description=https://www.diodes.com/assets/Datasheets/ds30086.pdf?src-supplier=Digi-Key, ComponentLink1URL=https://www.diodes.com/assets/Datasheets/ds30086.pdf?src-supplier=Digi-Key, ComponentLink2Description=http://www.farnell.com/datasheets/1915529.pdf?src-supplier=Element14, ComponentLink2URL=http://www.farnell.com/datasheets/1915529.pdf?src-supplier=Element14, ComponentLink3Description=http://www.mouser.com/ds/2/115/ds30086-60872.pdf?src-supplier=Mouser, ComponentLink3URL=http://www.mouser.com/ds/2/115/ds30086-60872.pdf?src-supplier=Mouser, ComponentLink4Description=https://www.diodes.com/assets/Datasheets/ds30086.pdf?src-supplier=Avnet, ComponentLink4URL=https://www.diodes.com/assets/Datasheets/ds30086.pdf?src-supplier=Avnet, ComponentLink5Description=https://www.diodes.com/assets/Datasheets/ds30086.pdf?src-supplier=Avnet+Europe, ComponentLink5URL=https://www.diodes.com/assets/Datasheets/ds30086.pdf?src-supplier=Avnet+Europe, ComponentLink6Description=https://www.diodes.com/assets/Datasheets/ds30086.pdf?src-supplier=Verical, ComponentLink6URL=https://www.diodes.com/assets/Datasheets/ds30086.pdf?src-supplier=Verical, Contact Plating=Tin,Matte, Element Configuration=Single, Forward Current=150mA, Height=1.25mm, Lead Free="Lead Free", Length=2.85mm, Max Repetitive Reverse Voltage (Vrrm)=100V, Max Reverse Voltage (DC)=100V, Max Surge Current=2A, Mount="Surface Mount", Number of Pins=2, Output Current=150mA, Packaging="Tape and Reel", Peak Non-Repetitive Surge Current=2A, Polarity=Standard, Power Rating=400mW, Pricing 1="1=0.16, 10=0.146, 25=0.1388, 100=0.0611, 250=0.05868, 500=0.048, 1000=0.03333 (USD)", Radiation Hardening=No, REACH SVHC="No SVHC", Recovery Time=4ns, Reverse Recovery Time=4ns, Stock 1=3713964, Supplier 1=Digi-Key, Voltage=100V, Weight=0.000353oz, Width=1.7mm
D6: library part LED-Blue, "LED BLUE CLEAR 0603 SMD", Case/Package=0603, Case Code (Metric)=1608, Color=Blue, Forward Current=30mA, Forward Voltage=3.2V, Manufacturer="Wurth Electronics", Manufacturer Part Number=150060BS75000, Max Operating Temperature=85°C, Min Operating Temperature=-40°C, Package Quantity=4000, Supplier Part Number 1=732-4966-6-ND, Test Current=20mA, Case Code (Imperial)=0603, ComponentLink1Description=https://www.distrelec.biz/Web/Downloads/_t/ds/150060BS75000_eng_tds.pdf?mime=application%2Fpdf&src-supplier=Distrelec, ComponentLink1URL=https://www.distrelec.biz/Web/Downloads/_t/ds/150060BS75000_eng_tds.pdf?mime=application%2Fpdf&src-supplier=Distrelec, ComponentLink2Description=https://katalog.we-online.de/led/datasheet/150060BS75000.pdf?src-supplier=Digi-Key, ComponentLink2URL=https://katalog.we-online.de/led/datasheet/150060BS75000.pdf?src-supplier=Digi-Key, ComponentLink3Description=http://www.farnell.com/datasheets/1911343.pdf?src-supplier=Element14, ComponentLink3URL=http://www.farnell.com/datasheets/1911343.pdf?src-supplier=Element14, ComponentLink4Description=http://www.produktinfo.conrad.com/datenblaetter/750000-774999/759426-da-01-en-CHIPLED_0603_W_KL_BLAU_150060BS75000.pdf?src-supplier=Conrad, ComponentLink4URL=http://www.produktinfo.conrad.com/datenblaetter/750000-774999/759426-da-01-en-CHIPLED_0603_W_KL_BLAU_150060BS75000.pdf?src-supplier=Conrad, Dominant Wavelength=470nm, Height=0.7mm, Length=1.6mm, Lens Style=Clear,Rectangular, Luminous Intensity=145mcd, Mount="Surface Mount", Packaging="Cut Tape", Pricing 1="1=0.16, 50=0.145, 100=0.125, 500=0.108 (USD)", REACH SVHC=Unknown, Stock 1=46078, Supplier 1=Digi-Key, Viewing Angle=140°, Wavelength=470nm, Width=0.8mm
D8 D17: library part LED-Red, "LED RED CLEAR 0603 SMD", Case/Package=0603, Case Code (Metric)=1608, Color=Red, Forward Current=30mA, Forward Voltage=2V, Manufacturer="Wurth Electronics", Manufacturer Part Number=150060RS75000, Max Operating Temperature=85°C, Min Operating Temperature=-40°C, Package Quantity=1, Supplier Part Number 1=732-4978-6-ND, Test Current=20mA, Case Code (Imperial)=0603, ComponentLink1Description=https://katalog.we-online.de/led/datasheet/150060RS75000.pdf?src-supplier=Digi-Key, ComponentLink1URL=https://katalog.we-online.de/led/datasheet/150060RS75000.pdf?src-supplier=Digi-Key, ComponentLink2Description=http://www.produktinfo.conrad.com/datenblaetter/750000-774999/759428-da-01-en-CHIPLED_0603_W_KL_ROT_150060RS75000.pdf?src-supplier=Conrad, ComponentLink2URL=http://www.produktinfo.conrad.com/datenblaetter/750000-774999/759428-da-01-en-CHIPLED_0603_W_KL_ROT_150060RS75000.pdf?src-supplier=Conrad, Dominant Wavelength=625nm, Height=0.7mm, Length=1.6mm, Lens Style=Clear,Rectangular, Luminous Intensity=250mcd, Mount="Surface Mount", Packaging="Cut Tape", Pricing 1="1=0.14, 50=0.133, 100=0.114, 500=0.099 (USD)", REACH SVHC=Unknown, Stock 1=18518, Supplier 1=Digi-Key, Viewing Angle=140°, Wavelength=625nm, Width=0.8mm
D9 D10 D11 D12 D13 D14 D15 D16: library part TVS-5V, "TVS DIODE 5V SOD323", Manufacturer=Nexperia, Manufacturer Part Number=PESD5V0U1UA,115, Supplier Part Number 1=1727-4155-6-ND, ComponentLink1Description=https://assets.nexperia.com/documents/data-sheet/PESD5V0U1UA_UB_UL.pdf?src-supplier=Digi-Key, ComponentLink1URL=https://assets.nexperia.com/documents/data-sheet/PESD5V0U1UA_UB_UL.pdf?src-supplier=Digi-Key, ComponentLink2Description=http://www.farnell.com/datasheets/453996.pdf?src-supplier=Farnell, ComponentLink2URL=http://www.farnell.com/datasheets/453996.pdf?src-supplier=Farnell, Pricing 1="1=0.43, 10=0.32, 25=0.28, 100=0.152, 250=0.1512, 500=0.124, 1000=0.092 (USD)", Stock 1=127058, Supplier 1=Digi-Key
D18_1 D18_2 D18_3 D18_4 D18_5 D18_6 D18_7 D18_8 D18_9 D18_10 D18_11 D18_12: library part LED-Red, "LED RED CLEAR 0603 SMD", Case/Package=0603, Case Code (Metric)=1608, Forward Current=30mA, Forward Voltage=2V, Manufacturer="Wurth Electronics", Manufacturer Part Number=150060RS75000, Max Operating Temperature=85°C, Min Operating Temperature=-40°C, Package Quantity=1, Supplier Part Number 1=732-4978-6-ND, Test Current=20mA, Case Code (Imperial)=0603, Color=Red, ComponentLink1Description=https://katalog.we-online.de/led/datasheet/150060RS75000.pdf?src-supplier=Digi-Key, ComponentLink1URL=https://katalog.we-online.de/led/datasheet/150060RS75000.pdf?src-supplier=Digi-Key, ComponentLink2Description=http://www.produktinfo.conrad.com/datenblaetter/750000-774999/759428-da-01-en-CHIPLED_0603_W_KL_ROT_150060RS75000.pdf?src-supplier=Conrad, ComponentLink2URL=http://www.produktinfo.conrad.com/datenblaetter/750000-774999/759428-da-01-en-CHIPLED_0603_W_KL_ROT_150060RS75000.pdf?src-supplier=Conrad, Dominant Wavelength=625nm, Height=0.7mm, Length=1.6mm, Lens Style=Clear,Rectangular, Luminous Intensity=250mcd, Mount="Surface Mount", Packaging="Cut Tape", Pricing 1="1=0.14, 50=0.133, 100=0.114, 500=0.099 (USD)", REACH SVHC=Unknown, Stock 1=18518, Supplier 1=Digi-Key, Viewing Angle=140°, Wavelength=625nm, Width=0.8mm